# Altium PCB PokeyMain.PcbDoc (part 1 of 3) (continued)
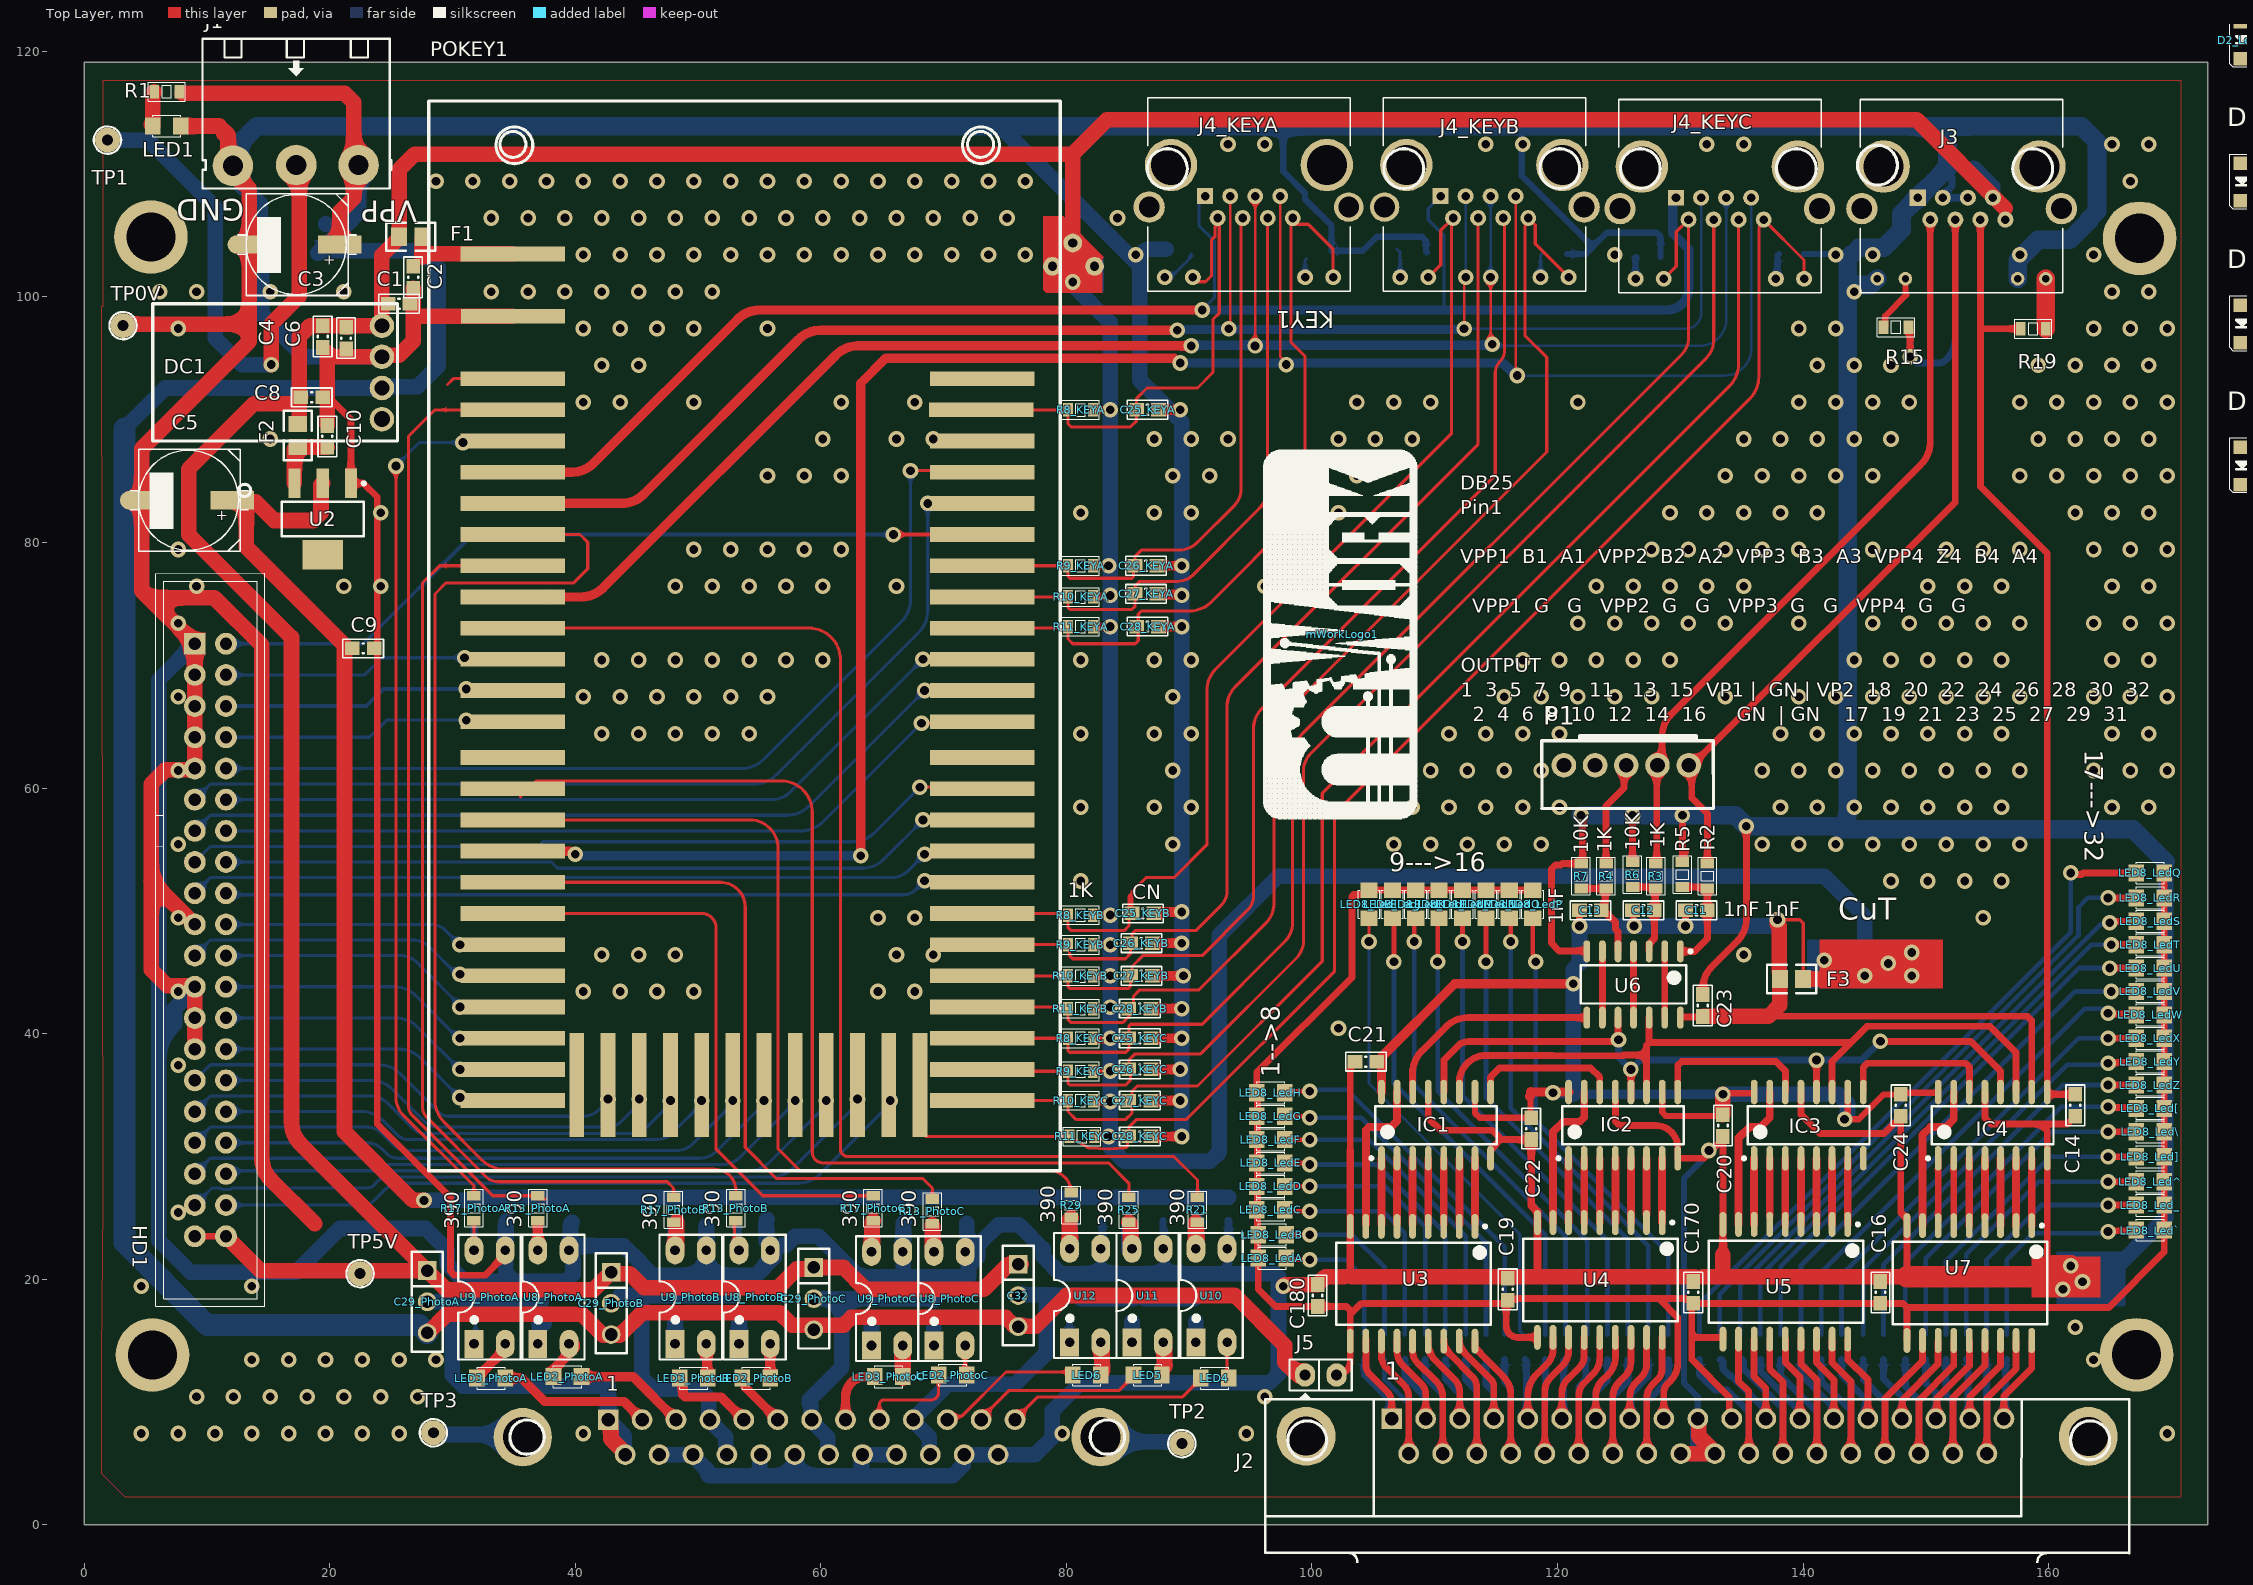
[diagram p0: Top Layer view]
## Components (designator, comment, footprint, x,y, rotation, side; value= is the part's Value field where it differs from the comment)
C1 "CN" CN-SMD-0603_big 25.654,99.441 r180 top value=33pF
C2 "CN" CN-SMD-0603_big 26.797,101.6 r90 top value=33pF
C3 "CN-ALU-SMD" CAP-ALU-SMD-F 17.272,104.267 r180 top
C4 "CN" CN-SMD-0603_big 19.431,96.774 r90 top value=33pF
C5 "CN-ALU-SMD" CAP-ALU-SMD-F 8.509,83.439 r180 top
C6 "CN" CN-SMD-0603_big 21.336,96.647 r90 top value=33pF
C8 "CN" CN-SMD-0603_big 18.542,91.821 r180 top value=33pF
C9 "CN" CN-SMD-0603_big 22.733,71.374 r180 top value=33pF
C10 "CN" CN-SMD-0603_big 19.812,88.646 r270 top value=33pF
C11 "1nF" CN-SMD-0603_big 131.318,50.038 r180 top value=33pF
C12 "1nF" CN-SMD-0603_big 127,50.038 r180 top value=33pF
C13 "1nF" CN-SMD-0603_big 122.682,50.038 r180 top value=33pF
C14 "1nF" CN-SMD-0603_big 162.179,34.163 r90 top value=33pF
C15 "CN" CN-SMD-0603_big 152.908,110.998 r180 bottom value=33pF
C16 "CN" CN-SMD-0603_big 146.304,18.923 r270 top value=33pF
C19 "CN" CN-SMD-0603_big 115.951,19.177 r90 top value=33pF
C20 "CN" CN-SMD-0603_big 133.477,32.512 r90 top value=33pF
C21 "CN" CN-SMD-0603_big 104.394,37.719 r0 top value=33pF
C22 "CN" CN-SMD-0603_big 117.856,32.258 r90 top value=33pF
C23 "CN" CN-SMD-0603_big 131.826,42.291 r270 top value=33pF
C24 "CN" CN-SMD-0603_big 147.955,34.163 r90 top value=33pF
C25_KEYA "CN" CN-SMD-0603_big 86.614,90.805 r180 top value=33pF (schematic designator C25)
C25_KEYB "CN" CN-SMD-0603_big 86.233,49.784 r180 top value=33pF (schematic designator C25)
C25_KEYC "CN" CN-SMD-0603_big 85.979,39.624 r180 top value=33pF (schematic designator C25)
C26_KEYA "CN" CN-SMD-0603_big 86.487,78.105 r180 top value=33pF (schematic designator C26)
C26_KEYB "CN" CN-SMD-0603_big 86.106,47.371 r180 top value=33pF (schematic designator C26)
C26_KEYC "CN" CN-SMD-0603_big 85.979,37.084 r180 top value=33pF (schematic designator C26)
C27_KEYA "CN" CN-SMD-0603_big 86.487,75.819 r180 top value=33pF (schematic designator C27)
C27_KEYB "CN" CN-SMD-0603_big 86.106,44.704 r180 top value=33pF (schematic designator C27)
C27_KEYC "CN" CN-SMD-0603_big 85.979,34.544 r180 top value=33pF (schematic designator C27)
C28_KEYA "CN" CN-SMD-0603_big 86.614,73.152 r180 top value=33pF (schematic designator C28)
C28_KEYB "CN" CN-SMD-0603_big 85.979,42.037 r180 top value=33pF (schematic designator C28)
C28_KEYC "CN" CN-SMD-0603_big 85.979,31.623 r180 top value=33pF (schematic designator C28)
C29_PhotoA "JP3" JP3-C1T 27.94,20.701 r270 top (schematic designator C29)
C29_PhotoB "JP3" JP3-C1T 42.926,20.574 r270 top (schematic designator C29)
C29_PhotoC "JP3" JP3-C1T 59.436,20.955 r270 top (schematic designator C29)
C30_PhotoA "100nF" CN-SMD-0603_big 39.751,25.527 r90 bottom value=33pF (schematic designator C30)
C30_PhotoB "100nF" CN-SMD-0603_big 55.626,25.781 r90 bottom value=33pF (schematic designator C30)
C30_PhotoC "100nF" CN-SMD-0603_big 71.755,25.527 r90 bottom value=33pF (schematic designator C30)
C31_PhotoA "100nF" CN-SMD-0603_big 34.417,25.654 r90 bottom value=33pF (schematic designator C31)
C31_PhotoB "100nF" CN-SMD-0603_big 50.673,25.654 r90 bottom value=33pF (schematic designator C31)
C31_PhotoC "100nF" CN-SMD-0603_big 66.802,25.527 r90 bottom value=33pF (schematic designator C31)
C32 "JP3" JP3-C1T 76.073,21.209 r270 top
C33 "100nF" CN-SMD-0603_big 93.218,25.654 r90 bottom value=33pF
C34 "CN" CN-SMD-0603_big 87.884,25.654 r90 bottom value=33pF
C35 "CN" CN-SMD-0603_big 83.058,25.781 r90 bottom value=33pF
C170 "CN" CN-SMD-0603_big 131.064,18.923 r270 top value=33pF
C180 "CN" CN-SMD-0603_big 100.457,18.669 r90 top value=33pF
D1 "Diode" DIO-SMD-106-HayDung 17.653,105.918 r180 bottom value=1N5007
D2_Led[ "Diode" DIO-SMD-123 175.768,305.816 r90 top value=1N5007 (schematic designator D2)
D2_Led\ "Diode" DIO-SMD-123 175.768,317.373 r90 top value=1N5007 (schematic designator D2)
D2_Led] "Diode" DIO-SMD-123 175.768,328.93 r90 top value=1N5007 (schematic designator D2)
D2_Led^ "Diode" DIO-SMD-123 175.768,340.487 r90 top value=1N5007 (schematic designator D2)
D2_Led_ "Diode" DIO-SMD-123 175.768,352.044 r90 top value=1N5007 (schematic designator D2)
D2_Led` "Diode" DIO-SMD-123 175.768,363.601 r90 top value=1N5007 (schematic designator D2)
D2_LedA "Diode" DIO-SMD-123 103.505,5.461 r90 bottom value=1N5007 (schematic designator D2)
D2_LedB "Diode" DIO-SMD-123 107.95,2.794 r90 bottom value=1N5007 (schematic designator D2)
D2_LedC "Diode" DIO-SMD-123 92.837,-8.636 r90 bottom value=1N5007 (schematic designator D2)
D2_LedD "Diode" DIO-SMD-123 110.617,2.794 r90 bottom value=1N5007 (schematic designator D2)
D2_LedE "Diode" DIO-SMD-123 97.028,29.591 r0 bottom value=1N5007 (schematic designator D2)
D2_LedF "Diode" DIO-SMD-123 113.538,2.667 r90 bottom value=1N5007 (schematic designator D2)
D2_LedG "Diode" DIO-SMD-123 186.182,25.4 r90 top value=1N5007 (schematic designator D2)
D2_LedH "Diode" DIO-SMD-123 175.768,86.233 r90 top value=1N5007 (schematic designator D2)
D2_LedI "Diode" DIO-SMD-123 175.768,97.79 r90 top value=1N5007 (schematic designator D2)
D2_LedJ "Diode" DIO-SMD-123 175.768,109.347 r90 top value=1N5007 (schematic designator D2)
D2_LedK "Diode" DIO-SMD-123 175.768,120.904 r90 top value=1N5007 (schematic designator D2)
D2_LedL "Diode" DIO-SMD-123 175.768,132.461 r90 top value=1N5007 (schematic designator D2)
D2_LedM "Diode" DIO-SMD-123 175.768,144.018 r90 top value=1N5007 (schematic designator D2)
D2_LedN "Diode" DIO-SMD-123 175.768,155.575 r90 top value=1N5007 (schematic designator D2)
D2_LedO "Diode" DIO-SMD-123 175.768,167.132 r90 top value=1N5007 (schematic designator D2)
D2_LedP "Diode" DIO-SMD-123 175.768,178.689 r90 top value=1N5007 (schematic designator D2)
D2_LedQ "Diode" DIO-SMD-123 175.768,190.246 r90 top value=1N5007 (schematic designator D2)
D2_LedR "Diode" DIO-SMD-123 175.768,201.803 r90 top value=1N5007 (schematic designator D2)
D2_LedS "Diode" DIO-SMD-123 175.768,213.36 r90 top value=1N5007 (schematic designator D2)
D2_LedT "Diode" DIO-SMD-123 175.768,224.917 r90 top value=1N5007 (schematic designator D2)
D2_LedU "Diode" DIO-SMD-123 175.768,236.474 r90 top value=1N5007 (schematic designator D2)
D2_LedV "Diode" DIO-SMD-123 175.768,248.031 r90 top value=1N5007 (schematic designator D2)
D2_LedW "Diode" DIO-SMD-123 175.768,259.588 r90 top value=1N5007 (schematic designator D2)
D2_LedX "Diode" DIO-SMD-123 175.768,271.145 r90 top value=1N5007 (schematic designator D2)
D2_LedY "Diode" DIO-SMD-123 175.768,282.702 r90 top value=1N5007 (schematic designator D2)
D2_LedZ "Diode" DIO-SMD-123 175.768,294.259 r90 top value=1N5007 (schematic designator D2)
DC1 "DC_V2" DC_V2 25.527,88.265 r180 top
F1 "600R@100Mhz" Capacitor_805 26.604,104.902 r180 top
F2 "600R@100Mhz" Capacitor_805 17.399,88.712 r90 top
F3 "600R@100Mhz" Capacitor_805 139.065,44.45 r180 top
HD1 "IDC20X2" IDC40 9.017,71.755 r270 top value="Header 5x2"
IC1 "74HC595" SO16 110.109,32.545 r90 top
IC2 "74HC595" SO16 125.349,32.545 r90 top
IC3 "74HC595" SO16 140.462,32.545 r90 top
IC4 "74HC595" SO16 155.448,32.545 r90 top
J1 "KF3" KF3-5.08T 22.352,110.744 r180 top
J2 "A32125-ND" DB25 59.254,-2.365 r0 bottom
J2 "DB37 Female" DB37 132.925,5.794 r270 top
J3 "615008142121" RJ45_8P8C#1 152.91,108.204 r180 top
J4_KEYA "615008142121" RJ45_8P8C#2 94.872,108.33 r180 top (schematic designator J4)
J4_KEYB "615008142121" RJ45_8P8C#3 114.048,108.331 r180 top (schematic designator J4)
J4_KEYC "615008142121" RJ45_8P8C#4 133.223,108.204 r180 top (schematic designator J4)
J5 "Jumper 2" JP2 99.441,12.192 r0 top value="JP 2"
LED1 "LED" LED-0805-Red 5.588,113.919 r0 top value="LED 3 - 5 ly 2 Colour"
LED2_PhotoA "LED" LED-0805-Green 38.227,12.065 r0 top value="LED 3 - 5 ly 2 Colour" (schematic designator LED2)
LED2_PhotoB "LED" LED-0805-Green 55.88,11.938 r180 top value="LED 3 - 5 ly 2 Colour" (schematic designator LED2)
LED2_PhotoC "LED" LED-0805-Green 71.882,12.192 r180 top value="LED 3 - 5 ly 2 Colour" (schematic designator LED2)
LED3_PhotoA "LED" LED-0805-Green 32.004,11.938 r0 top value="LED 3 - 5 ly 2 Colour" (schematic designator LED3)
LED3_PhotoB "LED" LED-0805-Green 50.8,11.938 r180 top value="LED 3 - 5 ly 2 Colour" (schematic designator LED3)
LED3_PhotoC "LED" LED-0805-Green 66.675,12.065 r180 top value="LED 3 - 5 ly 2 Colour" (schematic designator LED3)
LED4 "LED" LED-0805-Green 93.218,11.938 r180 top value="LED 3 - 5 ly 2 Colour"
LED5 "LED" LED-0805-Green 87.757,12.192 r180 top value="LED 3 - 5 ly 2 Colour"
LED6 "LED" LED-0805-Green 82.804,12.192 r180 top value="LED 3 - 5 ly 2 Colour"
LED8_Led[ "LED" LED-0805-Blue 169.418,33.909 r180 top value="LED 3 - 5 ly 2 Colour" (schematic designator LED8)
LED8_Led\ "LED" LED-0805-Blue 169.418,32.004 r180 top value="LED 3 - 5 ly 2 Colour" (schematic designator LED8)
LED8_Led] "LED" LED-0805-Blue 169.418,29.972 r180 top value="LED 3 - 5 ly 2 Colour" (schematic designator LED8)
LED8_Led^ "LED" LED-0805-Blue 169.418,27.94 r180 top value="LED 3 - 5 ly 2 Colour" (schematic designator LED8)
LED8_Led_ "LED" LED-0805-Blue 169.418,26.035 r180 top value="LED 3 - 5 ly 2 Colour" (schematic designator LED8)
LED8_Led` "LED" LED-0805-Blue 169.418,24.003 r180 top value="LED 3 - 5 ly 2 Colour" (schematic designator LED8)
LED8_LedA "LED" LED-0805-Blue 95.631,21.717 r0 top value="LED 3 - 5 ly 2 Colour" (schematic designator LED8)
LED8_LedB "LED" LED-0805-Blue 95.631,23.622 r0 top value="LED 3 - 5 ly 2 Colour" (schematic designator LED8)
LED8_LedC "LED" LED-0805-Blue 95.504,25.654 r0 top value="LED 3 - 5 ly 2 Colour" (schematic designator LED8)
LED8_LedD "LED" LED-0805-Blue 95.504,27.559 r0 top value="LED 3 - 5 ly 2 Colour" (schematic designator LED8)
LED8_LedE "LED" LED-0805-Blue 95.504,29.464 r0 top value="LED 3 - 5 ly 2 Colour" (schematic designator LED8)
LED8_LedF "LED" LED-0805-Blue 95.504,31.369 r0 top value="LED 3 - 5 ly 2 Colour" (schematic designator LED8)
LED8_LedG "LED" LED-0805-Blue 95.504,33.274 r0 top value="LED 3 - 5 ly 2 Colour" (schematic designator LED8)
LED8_LedH "LED" LED-0805-Blue 95.504,35.179 r0 top value="LED 3 - 5 ly 2 Colour" (schematic designator LED8)
LED8_LedI "LED" LED-0805-Blue 104.648,51.689 r270 top value="LED 3 - 5 ly 2 Colour" (schematic designator LED8)
LED8_LedJ "LED" LED-0805-Blue 106.553,51.689 r270 top value="LED 3 - 5 ly 2 Colour" (schematic designator LED8)
LED8_LedK "LED" LED-0805-Blue 108.458,51.689 r270 top value="LED 3 - 5 ly 2 Colour" (schematic designator LED8)
LED8_LedL "LED" LED-0805-Blue 110.363,51.689 r270 top value="LED 3 - 5 ly 2 Colour" (schematic designator LED8)
LED8_LedM "LED" LED-0805-Blue 112.268,51.689 r270 top value="LED 3 - 5 ly 2 Colour" (schematic designator LED8)
LED8_LedN "LED" LED-0805-Blue 114.173,51.689 r270 top value="LED 3 - 5 ly 2 Colour" (schematic designator LED8)
LED8_LedO "LED" LED-0805-Blue 116.078,51.689 r270 top value="LED 3 - 5 ly 2 Colour" (schematic designator LED8)
LED8_LedP "LED" LED-0805-Blue 117.983,51.689 r270 top value="LED 3 - 5 ly 2 Colour" (schematic designator LED8)
LED8_LedQ "LED" LED-0805-Blue 169.418,53.086 r180 top value="LED 3 - 5 ly 2 Colour" (schematic designator LED8)
LED8_LedR "LED" LED-0805-Blue 169.418,51.054 r180 top value="LED 3 - 5 ly 2 Colour" (schematic designator LED8)
LED8_LedS "LED" LED-0805-Blue 169.418,49.149 r180 top value="LED 3 - 5 ly 2 Colour" (schematic designator LED8)
LED8_LedT "LED" LED-0805-Blue 169.418,47.244 r180 top value="LED 3 - 5 ly 2 Colour" (schematic designator LED8)
LED8_LedU "LED" LED-0805-Blue 169.418,45.339 r180 top value="LED 3 - 5 ly 2 Colour" (schematic designator LED8)
LED8_LedV "LED" LED-0805-Blue 169.418,43.434 r180 top value="LED 3 - 5 ly 2 Colour" (schematic designator LED8)
LED8_LedW "LED" LED-0805-Blue 169.418,41.529 r180 top value="LED 3 - 5 ly 2 Colour" (schematic designator LED8)
LED8_LedX "LED" LED-0805-Blue 169.418,39.624 r180 top value="LED 3 - 5 ly 2 Colour" (schematic designator LED8)
LED8_LedY "LED" LED-0805-Blue 169.418,37.719 r180 top value="LED 3 - 5 ly 2 Colour" (schematic designator LED8)
LED8_LedZ "LED" LED-0805-Blue 169.418,35.814 r180 top value="LED 3 - 5 ly 2 Colour" (schematic designator LED8)
mWorkLogo1 "LogoMwork" LogoMwork30*12 102.489,72.522 r90 top
P1 "Pokey" JACK5 120.523,61.849 r0 top
POKEY1 "Pokey" POKEY 35.055,34.544 r0 top
R1 "R" RES-SMD-0603_BIG 6.731,116.713 r180 top
R2 "1K" RES-SMD-0603_BIG 132.207,52.832 r90 top
R3 "1K" RES-SMD-0603_BIG 128.016,52.832 r90 top
R4 "1K" RES-SMD-0603_BIG 123.952,52.832 r90 top
R5 "10K" RES-SMD-0603_BIG 130.175,52.959 r90 top
R6 "10K" RES-SMD-0603_BIG 126.111,52.959 r90 top
R7 "10K" RES-SMD-0603_BIG 121.92,52.832 r90 top
R8_KEYA "1K" RES-SMD-0603_BIG 81.153,90.805 r180 top (schematic designator R8)
R8_KEYB "1K" RES-SMD-0603_BIG 81.139,49.657 r180 top (schematic designator R8)
R8_KEYC "1K" RES-SMD-0603_BIG 81.139,39.624 r180 top (schematic designator R8)
R9_KEYA "1K" RES-SMD-0603_BIG 81.153,78.105 r180 top (schematic designator R9)
R9_KEYB "1K" RES-SMD-0603_BIG 81.139,47.244 r180 top (schematic designator R9)
R9_KEYC "1K" RES-SMD-0603_BIG 81.139,36.935 r180 top (schematic designator R9)
R10_KEYA "1K" RES-SMD-0603_BIG 81.153,75.565 r180 top (schematic designator R10)
R10_KEYB "1K" RES-SMD-0603_BIG 81.139,44.704 r180 top (schematic designator R10)
R10_KEYC "1K" RES-SMD-0603_BIG 81.153,34.544 r180 top (schematic designator R10)
R11_KEYA "1K" RES-SMD-0603_BIG 81.153,73.152 r180 top (schematic designator R11)
R11_KEYB "1K" RES-SMD-0603_BIG 81.139,42.037 r180 top (schematic designator R11)
R11_KEYC "1K" RES-SMD-0603_BIG 81.28,31.623 r180 top (schematic designator R11)
R12_PhotoA "5K" RES-SMD-0603_BIG 36.83,25.654 r270 bottom (schematic designator R12)
R12_PhotoB "5K" RES-SMD-0603_BIG 53.086,25.654 r270 bottom (schematic designator R12)
R12_PhotoC "5K" RES-SMD-0603_BIG 69.088,25.527 r270 bottom (schematic designator R12)
R13_PhotoA "390" RES-SMD-0603_BIG 36.957,25.781 r270 top (schematic designator R13)
R13_PhotoB "390" RES-SMD-0603_BIG 53.086,25.781 r270 top (schematic designator R13)
R13_PhotoC "390" RES-SMD-0603_BIG 69.088,25.527 r270 top (schematic designator R13)
R14_PhotoA "2K" RES-SMD-0603_BIG 36.957,17.272 r270 bottom (schematic designator R14)
R14_PhotoB "2K" RES-SMD-0603_BIG 53.34,17.78 r270 bottom (schematic designator R14)
R14_PhotoC "2K" RES-SMD-0603_BIG 69.215,17.272 r270 bottom (schematic designator R14)
R15 "R" RES-SMD-0603_BIG 147.574,97.536 r0 top
R16_PhotoA "5K" RES-SMD-0603_BIG 31.75,25.654 r270 bottom (schematic designator R16)
R16_PhotoB "5K" RES-SMD-0603_BIG 48.006,25.654 r270 bottom (schematic designator R16)
R16_PhotoC "5K" RES-SMD-0603_BIG 64.262,25.386 r270 bottom (schematic designator R16)
R17_PhotoA "390" RES-SMD-0603_BIG 31.75,25.781 r270 top (schematic designator R17)
R17_PhotoB "390" RES-SMD-0603_BIG 48.006,25.654 r270 top (schematic designator R17)
R17_PhotoC "390" RES-SMD-0603_BIG 64.262,25.781 r270 top (schematic designator R17)
R18_PhotoA "2K" RES-SMD-0603_BIG 31.75,17.399 r270 bottom (schematic designator R18)
R18_PhotoB "2K" RES-SMD-0603_BIG 48.133,17.653 r270 bottom (schematic designator R18)
R18_PhotoC "2K" RES-SMD-0603_BIG 64.135,17.399 r270 bottom (schematic designator R18)
R19 "R" RES-SMD-0603_BIG 158.75,97.409 r0 top
R20 "5K" RES-SMD-0603_BIG 90.678,25.654 r270 bottom
R21 "390" RES-SMD-0603_BIG 90.678,25.654 r270 top
R22 "2K" RES-SMD-0603_BIG 90.551,17.526 r270 bottom
R23_KEYA "R" RES-SMD-0603_BIG 89.154,103.886 r180 bottom (schematic designator R23)
R23_KEYB "R" RES-SMD-0603_BIG 108.331,103.632 r0 bottom (schematic designator R23)
R23_KEYC "R" RES-SMD-0603_BIG 127.381,103.759 r0 bottom (schematic designator R23)
R24 "5K" RES-SMD-0603_BIG 85.217,25.654 r270 bottom
R25 "390" RES-SMD-0603_BIG 85.09,25.654 r270 top
R26 "2K" RES-SMD-0603_BIG 85.344,17.526 r270 bottom
R27_KEYA "R" RES-SMD-0603_BIG 100.584,103.759 r180 bottom (schematic designator R27)
R27_KEYB "R" RES-SMD-0603_BIG 119.761,103.505 r180 bottom (schematic designator R27)
R27_KEYC "R" RES-SMD-0603_BIG 139.065,103.505 r180 bottom (schematic designator R27)
R28 "5K" RES-SMD-0603_BIG 80.391,25.654 r270 bottom
R29 "390" RES-SMD-0603_BIG 80.391,26.035 r270 top
R30 "2K" RES-SMD-0603_BIG 80.264,17.526 r270 bottom
R31_Led[ "R" RES-SMD-0603_BIG 148.336,14.478 r90 bottom (schematic designator R31)
R31_Led\ "R" RES-SMD-0603_BIG 149.987,14.478 r90 bottom (schematic designator R31)
R31_Led] "R" RES-SMD-0603_BIG 151.638,14.478 r90 bottom (schematic designator R31)
R31_Led^ "R" RES-SMD-0603_BIG 153.289,14.478 r90 bottom (schematic designator R31)
R31_Led_ "R" RES-SMD-0603_BIG 154.94,14.478 r90 bottom (schematic designator R31)
R31_Led` "R" RES-SMD-0603_BIG 156.591,14.478 r90 bottom (schematic designator R31)
R31_LedA "R" RES-SMD-0603_BIG 104.267,14.478 r90 bottom (schematic designator R31)
R31_LedB "R" RES-SMD-0603_BIG 105.918,14.478 r90 bottom (schematic designator R31)
R31_LedC "R" RES-SMD-0603_BIG 107.569,14.478 r90 bottom (schematic designator R31)
R31_LedD "R" RES-SMD-0603_BIG 109.22,14.478 r90 bottom (schematic designator R31)
R31_LedE "R" RES-SMD-0603_BIG 110.871,14.478 r90 bottom (schematic designator R31)
R31_LedF "R" RES-SMD-0603_BIG 112.522,14.478 r90 bottom (schematic designator R31)
R31_LedG "R" RES-SMD-0603_BIG 114.173,14.478 r90 bottom (schematic designator R31)
R31_LedH "R" RES-SMD-0603_BIG 115.697,14.478 r90 bottom (schematic designator R31)
R31_LedI "R" RES-SMD-0603_BIG 117.348,14.478 r90 bottom (schematic designator R31)
R31_LedJ "R" RES-SMD-0603_BIG 118.999,14.478 r90 bottom (schematic designator R31)
R31_LedK "R" RES-SMD-0603_BIG 120.65,14.478 r90 bottom (schematic designator R31)
R31_LedL "R" RES-SMD-0603_BIG 122.428,14.478 r90 bottom (schematic designator R31)
R31_LedM "R" RES-SMD-0603_BIG 124.079,14.478 r90 bottom (schematic designator R31)
R31_LedN "R" RES-SMD-0603_BIG 125.73,14.478 r90 bottom (schematic designator R31)
R31_LedO "R" RES-SMD-0603_BIG 127.381,14.478 r90 bottom (schematic designator R31)
R31_LedP "R" RES-SMD-0603_BIG 129.032,14.478 r90 bottom (schematic designator R31)
R31_LedQ "R" RES-SMD-0603_BIG 131.572,14.478 r90 bottom (schematic designator R31)
R31_LedR "R" RES-SMD-0603_BIG 133.223,14.478 r90 bottom (schematic designator R31)
R31_LedS "R" RES-SMD-0603_BIG 134.874,14.478 r90 bottom (schematic designator R31)
R31_LedT "R" RES-SMD-0603_BIG 136.525,14.478 r90 bottom (schematic designator R31)
R31_LedU "R" RES-SMD-0603_BIG 138.176,14.478 r90 bottom (schematic designator R31)
R31_LedV "R" RES-SMD-0603_BIG 139.827,14.478 r90 bottom (schematic designator R31)
R31_LedW "R" RES-SMD-0603_BIG 141.478,14.478 r90 bottom (schematic designator R31)
R31_LedX "R" RES-SMD-0603_BIG 143.129,14.478 r90 bottom (schematic designator R31)
R31_LedY "R" RES-SMD-0603_BIG 144.907,14.478 r90 bottom (schematic designator R31)
R31_LedZ "R" RES-SMD-0603_BIG 146.558,14.478 r90 bottom (schematic designator R31)
TP0V "TP" TP1 3.175,97.663 r90 top value="Test Point"
TP1 "TP" TP1 1.905,112.776 r0 top value="Test Point"
TP2 "TP" TP1 89.408,6.604 r0 top value="Test Point"
TP3 "TP" TP1 28.448,7.493 r0 top value="Test Point"
TP5V "TP" TP1 22.479,20.447 r90 top value="Test Point"
U2 "LM1117-3.3V" SOT223 19.431,81.915 r180 top
U3 "ULN2803" SO18 108.199,19.627 r270 top
U4 "ULN2803" SO18 123.444,19.939 r270 top
U5 "ULN2803" SO18 138.557,19.788 r270 top
U6 "7414" SO14 126.198,44.003 r270 top
U7 "ULN2803" SO18 153.543,19.685 r270 top
U8_PhotoA "PC847" DIP4 36.957,14.732 r0 top value=PC817 (schematic designator U8)
U8_PhotoB "PC847" DIP4 53.34,14.732 r0 top value=PC817 (schematic designator U8)
U8_PhotoC "PC847" DIP4 69.215,14.605 r0 top value=PC817 (schematic designator U8)
U9_PhotoA "PC847" DIP4 31.75,14.732 r0 top value=PC817 (schematic designator U9)
U9_PhotoB "PC847" DIP4 48.133,14.732 r0 top value=PC817 (schematic designator U9)
U9_PhotoC "PC847" DIP4 64.135,14.605 r0 top value=PC817 (schematic designator U9)
U10 "PC847" DIP4 90.551,14.859 r0 top value=PC817
U11 "PC847" DIP4 85.344,14.859 r0 top value=PC817
U12 "PC847" DIP4 80.264,14.859 r0 top value=PC817

## Footprints (in the part's own frame and the unit in brackets; to place one, negate y for a bottom-side part, rotate by r counter-clockwise, add the part's x,y. Pads: shape width x height; smd on the part's side, far side on the other; paste and mask are expansions set on the pad)
CAP-ALU-SMD-F [mil]
  rect 140x59.06 smd: 1(-140,0)
  oval 140x59.06 smd: 2(150,0)
  silkscreen extent -192,-163 187,163, body extent -195,-163 195,163, height 402
Capacitor_805 [mm]
  rect 1.3x1.5 smd: 1(0.95,0) 2(-0.95,0)
  silkscreen extent -2,-1.15 2,1.15, body extent -1,-0.63 1,0.62, height 0.78
CN-SMD-0603_big [mm]
  rect 1.2x1.1 smd: 1(-0.889,0) 2(0.889,0)
  silkscreen extent -1.65,-0.76 1.65,0.76, body extent -0.8,-0.4 0.8,0.4, height 0.3
DB25 [mm] "Connector; D Subminiature AMPLIMITE 2000; 25 Position; Right Angle"
  rect 1.69x1.69 hole 1.09: 1(-16.566,-10.92)
  round 1.69 hole 1.09: 2(-13.805,-10.92) 3(-11.044,-10.92) 4(-8.283,-10.92) 5(-5.522,-10.92) 6(-2.761,-10.92) 7(0,-10.92) 8(2.761,-10.92) 9(5.522,-10.92) 10(8.283,-10.92) 11(11.044,-10.92) 12(13.805,-10.92) 13(16.566,-10.92) 14(-15.185,-8.08) 15(-12.425,-8.08) 16(-9.663,-8.08) 17(-6.903,-8.08) 18(-4.142,-8.08) 19(-1.38,-8.08) 20(1.38,-8.08) 21(4.142,-8.08) 22(6.903,-8.08) 23(9.663,-8.08) 24(12.425,-8.08) 25(15.185,-8.08)
  round 4.76 hole 3.26: 26(-23.526,-9.5) 27(23.526,-9.5)
  silkscreen extent -26.5,-12.5 26.6,6, body extent -26.61,-12.56 26.86,5.84, height 12.71
DB37 [mm]
  rect 1.69x1.69 hole 1.09: 1(-2.842,-26.427)
  round 1.69 hole 1.09: 2(-2.842,-23.657) 3(-2.842,-20.887) 4(-2.842,-18.117) 5(-2.842,-15.347) 6(-2.842,-12.577) 7(-2.842,-9.807) 8(-2.842,-7.037) 9(-2.842,-4.267) 10(-2.842,-1.497) 11(-2.842,1.27) 12(-2.842,4.043) 13(-2.842,6.813) 14(-2.842,9.583) 15(-2.842,12.353) 16(-2.842,15.123) 17(-2.842,17.893) 18(-2.842,20.663) 19(-2.842,23.433) 20(-0.002,-25.042) 21(-0.002,-22.272) 22(-0.002,-19.502) 23(-0.002,-16.732) 24(-0.002,-13.962) 25(-0.002,-11.192) 26(-0.002,-8.422) 27(-0.002,-5.652) 28(-0.002,-2.882) 29(-0.002,-0.112) 30(-0.002,2.658) 31(-0.002,5.428) 32(-0.002,8.198) 33(-0.002,10.968) 34(-0.002,13.738) 35(-0.002,16.508) 36(-0.002,19.278) 37(-0.002,22.048)
  round 4.8 hole 3.18: 38(-1.416,-33.395) 39(-1.397,30.306)
  silkscreen extent -4.42,-36.73 14.1,33.66, body extent -4.14,-36.35 18.92,33.3, height 12.71
DC_V2 [mm]
  round 2 hole 1.2: 1(1.27,-4.318) 2(1.27,-6.858) 3(1.27,-9.398)
  round 2 hole 1.3: 4(1.27,-1.778)
  silkscreen extent 0,-11.18 19.94,0
DIO-SMD-106-HayDung [mm]
  rect 2.5x2.6 smd: 1(2.032,0) 2(-2.032,0)
  silkscreen extent -3.56,-1.4 3.43,1.4, body extent -2.51,-1.28 2.69,1.32, height 2.4
DIO-SMD-123 [mm]
  rect 1.1x1.4 smd: 1(1.524,0) 2(-1.524,0)
  silkscreen extent -2.16,-1.02 2.29,1.02, body extent -1.76,-0.8 1.94,0.8, height 1.25
DIP4 [mil]
  rect 60x90 hole 31: 1(0,0)
  oval 60x90 hole 31: 2(100,0) 3(100,300) 4(0,300)
  silkscreen extent -50,-50 150,350, body extent -59,-10 159,305, height 170
IDC40 [mil]
  rect 70x70 hole 40: 1(0,0)
  round 70 hole 40: 2(0,100) 3(100,0) 4(100,100) 5(200,0) 6(200,100) 7(300,0) 8(300,100) 9(400,0) 10(400,100) 11(500,0) 12(500,100) 13(600,0) 14(600,100) 15(700,0) 16(700,100) 17(800,0) 18(800,100) 19(900,0) 20(900,100) 21(1000,0) 22(1000,100) 23(1100,0) 24(1100,100) 25(1200,0) 26(1200,100) 27(1300,0) 28(1300,100) 29(1400,0) 30(1400,100) 31(1500,0) 32(1500,100) 33(1600,0) 34(1600,100) 35(1700,0) 36(1700,100) 37(1800,0) 38(1800,100) 39(1900,0) 40(1900,100)
  silkscreen extent -226,-125 2125,225, body extent -225,-125 2125,225, height 358
JACK5 [mm]
  round 2 hole 1.2: 1(0,0) 2(2.54,0) 3(5.08,0) 4(7.62,0) 5(10.16,0)
  silkscreen extent -1.8,-3.5 12.18,2.41
JP2 [mil]
  oval 65x75 hole 36: 1(0,0) 2(101,0)
  silkscreen extent -50,-81 150,50, body extent -48,-50 148,48, height 323
JP3-C1T [mm] "3 row, straight, gold plating"
  rect 1.52x1.52 hole 1.02: 1(0,0)
  round 1.52 hole 1.02: 2(2.54,0) 3(5.08,0)
  silkscreen extent -1.52,-1.27 6.6,1.27, body extent -1.52,-1.25 6.6,1.25, height 8.51
KF3-5.08T [mil] "Header 3, 3 pin, hight 300mil, Pin to Pin 200, Colour Green"
  round 130 hole 65: 1(0,0) 2(200,0) 3(402.62,2.62)
  silkscreen extent -105,-405 500,75, body extent -95,-404 496,68, height 124
LED-0805-Blue [mil]
  rect 50x55 smd: 1(0,0) 2(90,0)
  silkscreen extent 0,-35 90,35, body extent 5,-25 85,25, height 43
LED-0805-Green [mil]
  rect 50x55 smd: 1(0,0) 2(90,0)
  silkscreen extent 0,-35 90,35, body extent 5,-25 85,25, height 43
LED-0805-Red [mil]
  rect 50x55 smd: 1(0,0) 2(90,0)
  silkscreen extent 0,-35 90,35, body extent 5,-25 85,25, height 43
LogoMwork30*12 [mm] "30mm*12mm"
  silkscreen extent -15.05,-6.08 15.03,6.41
POKEY [mm]
  rect 8.5x1.2 smd: 0(-0.13,68.961) 1(-0.127,63.881) 2(-0.13,58.801) 3(-0.13,56.261) 4(-0.13,53.721) 5(-0.13,51.181) 6(-0.13,48.641) 7(-0.13,46.101) 8(-0.13,43.561) 9(-0.13,41.021) 10(-0.13,38.481) 11(-0.13,35.941) 12(-0.13,33.401) 13(-0.13,30.861) 14(-0.13,27.94) 15(-0.13,25.4) 16(-0.13,22.86) 17(-0.13,20.32) 18(-0.13,17.78) 19(-0.13,15.24) 20(-0.13,12.7) 21(-0.13,10.16) 22(-0.13,7.62) 23(-0.13,5.08) 24(-0.13,2.54) 25(-0.13,0) 38(38.1,0) 39(38.1,2.54) 40(38.1,5.08) 41(38.1,7.62) 42(38.1,10.16) 43(38.1,12.7) 44(38.1,15.24) 45(38.1,17.78) 46(38.1,20.32) 47(38.1,22.86) 48(38.1,25.4) 49(38.1,27.94) 50(38.1,30.861) 51(38.1,33.401) 52(38.1,35.941) 53(38.1,38.481) 54(38.1,41.021) 55(38.1,43.561) 56(38.1,46.101) 57(38.1,48.641) 58(38.1,51.181) 59(38.1,53.721) 60(38.02,56.261) 61(38.1,58.801)
  rect 1.2x8.5 smd: 26(5.08,1.27) 27(7.62,1.27) 28(10.16,1.27) 29(12.7,1.27) 30(15.24,1.27) 31(17.78,1.27) 32(20.32,1.27) 33(22.86,1.27) 34(25.4,1.27) 35(27.94,1.27) 36(30.48,1.27) 37(33.02,1.27)
  silkscreen extent -6.98,-5.71 44.45,81.42, body extent -3.5,-1.78 41.4,84.31, height 13.84
RES-SMD-0603_BIG [mm]
  rect 0.8x1.1 smd: 1(-1.016,0) 2(1.016,0)
  silkscreen extent -1.52,-0.76 1.52,0.76, body extent -0.8,-0.4 0.8,0.4, height 0.43
RJ45_8P8C#1 [mm] "https://www.thegioiic.com/products/cong-rj45-cai-8pin-8p8c-co-led-16x16mm"
  rect 1.308x1.308 hole 0.7: 1(3.57,0.125)
  round 1.308 hole 0.7: 2(2.55,1.905) 3(1.53,0.125) 4(0.51,1.905) 5(-0.51,0.125) 6(-1.53,1.905) 7(-2.55,0.125) 8(-3.57,1.905)
  round 1.108 hole 0.6: L1(4.57,6.725) L1-(6.86,6.725) L2+(-6.86,6.725) L2-(-4.57,6.725)
  round 4.266 hole 3.25: S1(6.35,-2.415) S2(-6.35,-2.415)
  round 2.55 hole 1.7: S3(-8.125,1.015) S4(8.125,1.015)
  silkscreen extent -8.25,-7.88 8.25,7.88, body extent -7.87,-7.88 7.87,7.51, height 12.84
RJ45_8P8C#2 [mm] "https://www.thegioiic.com/products/cong-rj45-cai-8pin-8p8c-co-led-16x16mm"
  rect 1.3x1.3 hole 0.7: 1(3.57,0.125)
  round 1.3 hole 0.7: 2(2.55,1.905) 3(1.53,0.125) 4(0.51,1.905) 5(-0.51,0.125) 6(-1.53,1.905) 7(-2.55,0.125) 8(-3.57,1.905) L1+(4.57,6.725) L1-(6.86,6.725) L2+(-6.86,6.725) L2-(-4.57,6.725)
  round 4.266 hole 3.25: S1(6.35,-2.415) S2(-6.35,-2.415)
  round 2.4 hole 1.7: S3(-8.125,1.015)
  round 2.55 hole 1.7: S4(8.125,1.015)
  silkscreen extent -8.25,-7.88 8.25,7.88, body extent -7.87,-7.88 7.87,7.51, height 12.84
RJ45_8P8C#3 [mm] "https://www.thegioiic.com/products/cong-rj45-cai-8pin-8p8c-co-led-16x16mm"
  rect 1.3x1.3 hole 0.7: 1(3.57,0.125)
  round 1.3 hole 0.7: 2(2.55,1.905) 3(1.53,0.125) 4(0.51,1.905) 5(-0.51,0.125) 6(-1.53,1.905) 7(-2.55,0.125) 8(-3.57,1.905) L1+(4.57,6.725) L1-(6.86,6.725) L2+(-6.86,6.725) L2-(-4.57,6.725)
  round 4.266 hole 3.25: S1(6.35,-2.415) S2(-6.35,-2.415)
  round 2.55 hole 1.7: S3(-8.125,1.015)
  round 2.4 hole 1.7: S4(8.125,1.015)
  silkscreen extent -8.25,-7.88 8.25,7.88, body extent -7.87,-7.88 7.87,7.51, height 12.84
RJ45_8P8C#4 [mm] "https://www.thegioiic.com/products/cong-rj45-cai-8pin-8p8c-co-led-16x16mm"
  rect 1.3x1.3 hole 0.7: 1(3.57,0.125)
  round 1.3 hole 0.7: 2(2.55,1.905) 3(1.53,0.125) 4(0.51,1.905) 5(-0.51,0.125) 6(-1.53,1.905) 7(-2.55,0.125) 8(-3.57,1.905) L1+(4.57,6.725) L1-(6.86,6.725) L2+(-6.86,6.725) L2-(-4.57,6.725)
  round 4.266 hole 3.25: S1(6.35,-2.415) S2(-6.35,-2.415)
  round 2.55 hole 1.7: S3(-8.125,1.015) S4(8.125,1.015)
  silkscreen extent -8.25,-7.88 8.25,7.88, body extent -7.87,-7.88 7.87,7.51, height 12.84
SO14 [mm] "SOIC, 14-Leads, Body 8.60x3.90mm, Pitch 1.27mm, IPC Medium Density"
  oval 1.8x0.55 smd: 1(-2.7,3.81) 2(-2.7,2.54) 3(-2.7,1.27) 4(-2.7,0) 5(-2.7,-1.27) 6(-2.7,-2.54) 7(-2.7,-3.81) 8(2.7,-3.81) 9(2.7,-2.54) 10(2.7,-1.27) 11(2.7,0) 12(2.7,1.27) 13(2.7,2.54) 14(2.7,3.81)
  silkscreen extent -2.82,-4.3 1.55,4.76, body extent -2.87,-4.3 3.13,4.3, height 1.75
SO16 [mm] "SOIC, 16-Leads, Body 9.90x3.91mm, Pitch 1.27mm, IPC Medium Density"
  oval 2x0.55 smd: 1(-2.7,4.445) 2(-2.7,3.175) 3(-2.7,1.905) 4(-2.7,0.635) 5(-2.7,-0.635) 6(-2.7,-1.905) 7(-2.7,-3.175) 8(-2.7,-4.445) 9(2.7,-4.445) 10(2.7,-3.175) 11(2.7,-1.905) 12(2.7,-0.635) 13(2.7,0.635) 14(2.7,1.905) 15(2.7,3.175) 16(2.7,4.445)
  silkscreen extent -2.82,-4.95 1.55,5.39, body extent -3,-4.95 3,4.95, height 1.4
SO18 [mm] "SOIC, 18-Leads, Body 11.50x7.50mm, Pitch 1.27mm, IPC Medium Density"
  oval 2.032x0.55 smd: 1(-4.675,5.08) 2(-4.675,3.81) 3(-4.675,2.54) 4(-4.675,1.27) 5(-4.675,0) 6(-4.675,-1.27) 7(-4.675,-2.54) 8(-4.675,-3.81) 9(-4.675,-5.08) 10(4.675,-5.08) 11(4.675,-3.81) 12(4.675,-2.54) 13(4.675,-1.27) 14(4.675,0) 15(4.675,1.27) 16(4.675,2.54) 17(4.675,3.81) 18(4.675,5.08)
  silkscreen extent -4.8,-6.22 3.35,6.35, body extent -5.15,-5.77 5.15,5.76, height 2.7
SOT223 [mm]
  rect 1x2.4 smd: 1(-2.3,-2.9) 2(0,-2.9) 3(2.3,-2.9)
  rect 3.3x2.4 smd: 4(0,2.9)
  silkscreen extent -3.48,-3.02 3.35,1.4, body extent -3.25,-3.56 3.25,3.4, height 1.68
TP1 [mil] "Test point"
  round 80 hole 35: 1(0,0)
  silkscreen extent -44,-44 44,44, body extent -50,-50 50,50, height 178